# Altium PCB WX0.000.863拼板.PcbDoc (part 11 of 15)
Units mm, origin at the board's own origin, x right, y up, seen from the top; angles counter-clockwise.
Board outline 150.37 x 286.89 mm, 2 copper layers (Top Layer, Bottom Layer); 840 components, 0 nets, 2516 pads, 1604 vias.
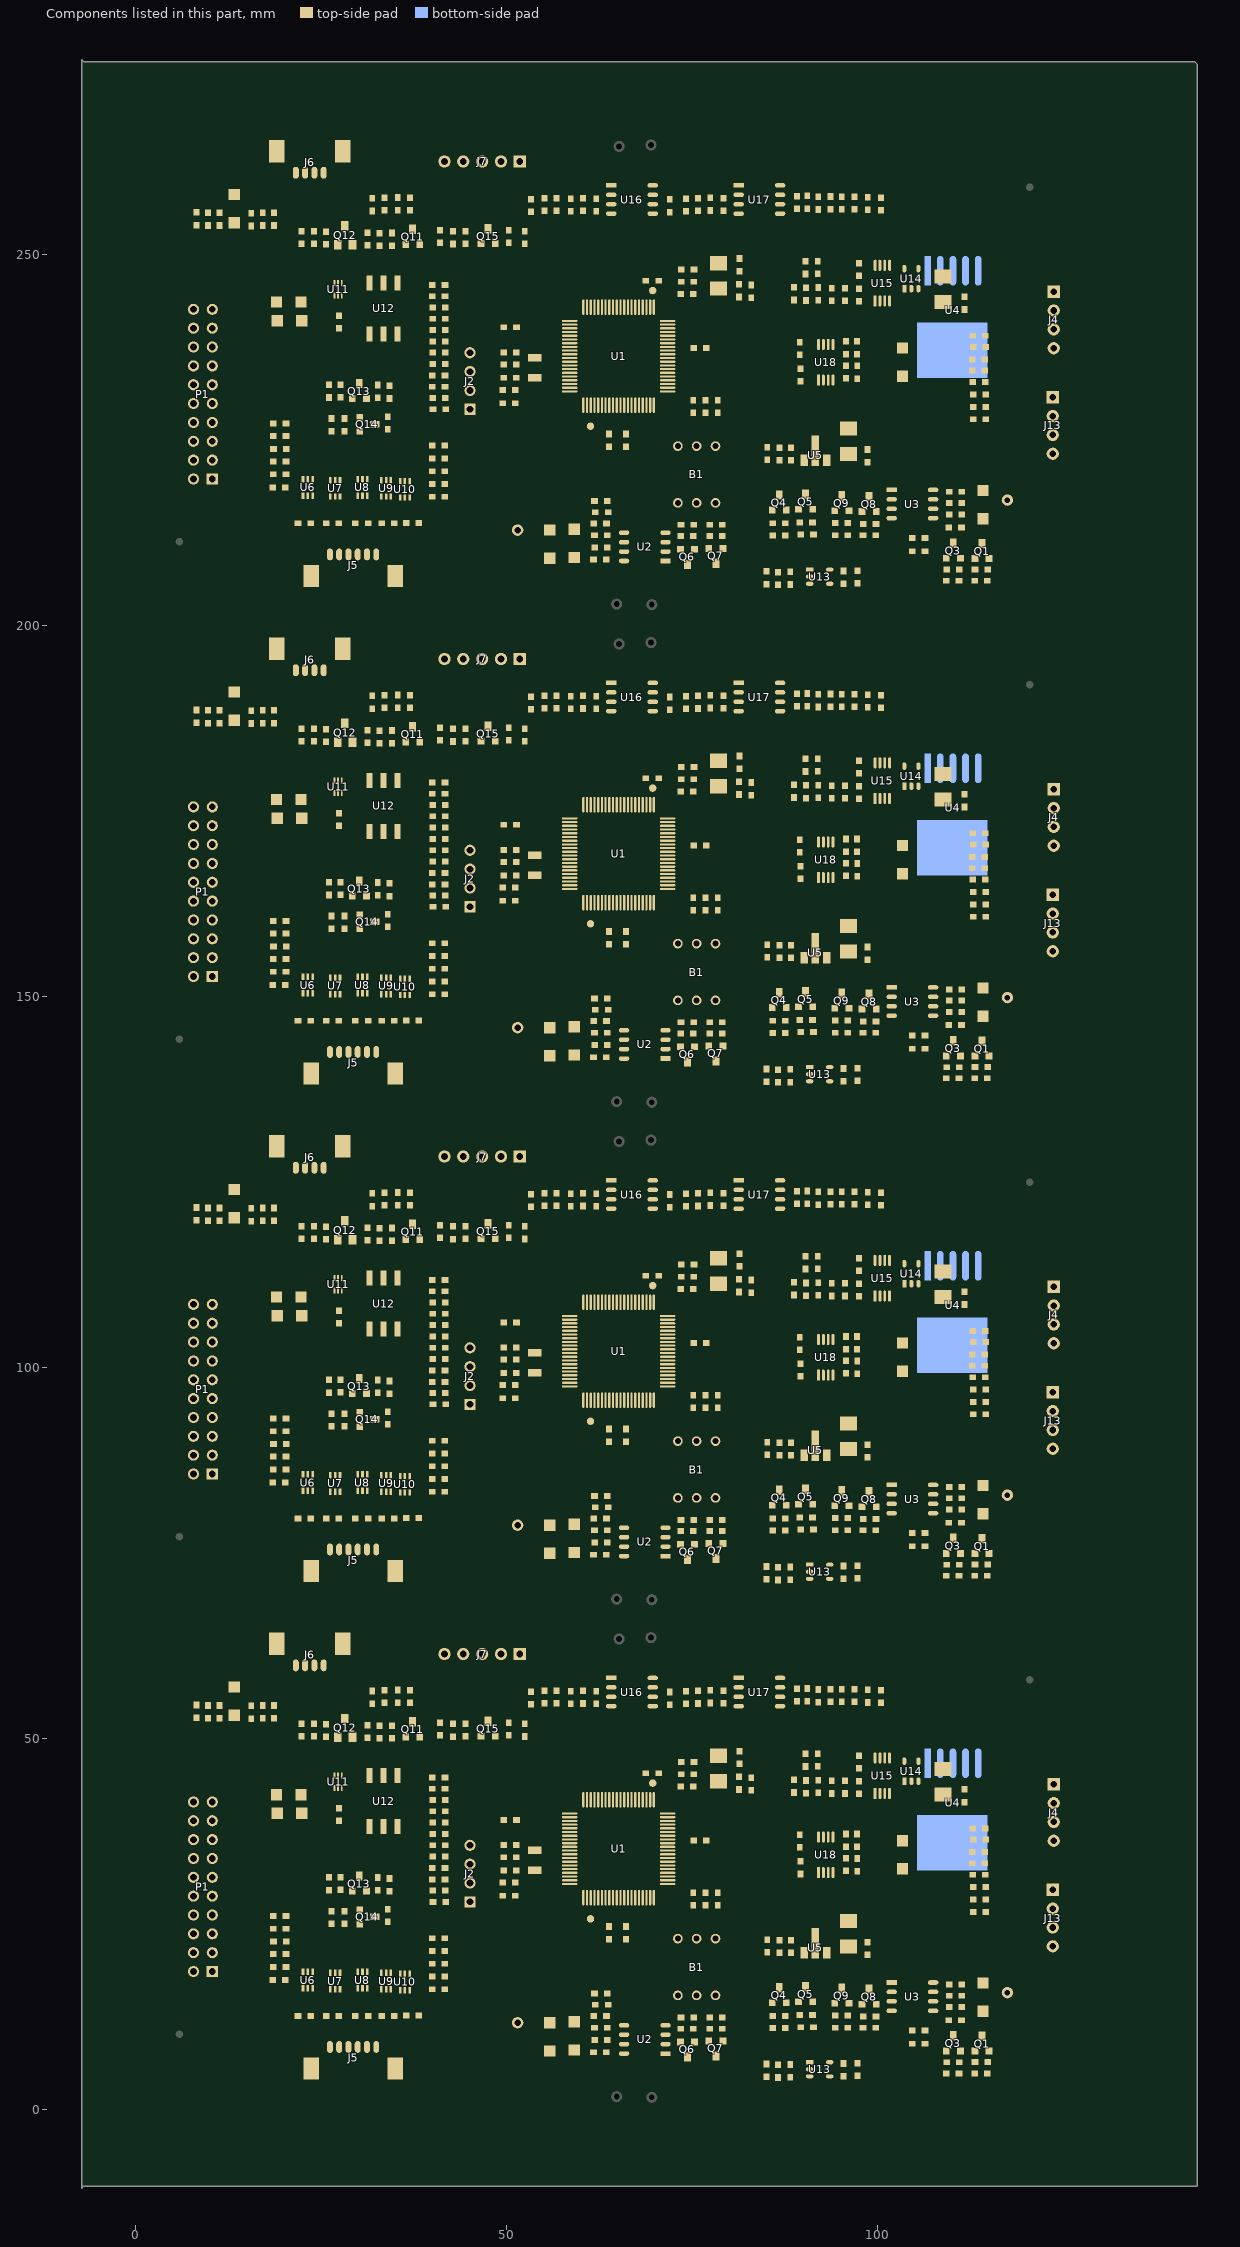
[diagram p11: the components of this part, seen from the top]

## Via types
v1: diameter 0.635, hole 0.381, Top Layer to Bottom Layer, tented both sides, 1604 vias

## Nets (pads, with @x,y where several pads share a name; then routed paths per layer and width w, separated by ;. In a path a pad name is that pad's centre, name@x,y a point inside that pad or via, vN(x,y) a via of type N, cw(c..) or ccw(c..) an arc to the next point about the centre after c; other vN are vias at no path point) (continued)
copper on no net: (continued)
  Top Layer w0.508: 7.472,41.759 ccw(c6.626,42.606) 7.823,42.606 ccw(c9.021,42.606) 8.174,41.759 ; 7.472,108.815 ccw(c6.626,109.662) 7.823,109.662 ccw(c9.021,109.662) 8.174,108.815 ; 7.472,175.871 ccw(c6.626,176.718) 7.823,176.718 ccw(c9.021,176.718) 8.174,175.871 ; 7.472,242.927 ccw(c6.626,243.774) 7.823,243.774 ccw(c9.021,243.774) 8.174,242.927 ; 7.811,38.869 cw(c9.238,38.869) 8.229,39.877 ; 7.811,105.925 cw(c9.238,105.925) 8.229,106.933 ; 7.811,172.981 cw(c9.238,172.981) 8.229,173.989 ; 7.811,240.037 cw(c9.238,240.037) 8.229,241.045 ; 7.823,38.869 7.95,38.996 7.95,39.599 9.161,40.809 9.161,45.704 12.034,48.577 12.034,50.134 12.954,51.054 14.351,51.054 14.757,51.46 14.757,55.474 13.335,56.896 ; 7.823,41.409 7.823,45.364 11.328,48.869 11.328,52.705 ; 7.823,105.925 7.95,106.052 7.95,106.655 9.161,107.865 9.161,112.76 12.034,115.633 12.034,117.19 12.954,118.11 14.351,118.11 14.757,118.516 14.757,122.53 13.335,123.952 ; 7.823,108.465 7.823,112.42 11.328,115.925 11.328,119.761 ; 7.823,172.981 7.95,173.108 7.95,173.711 9.161,174.921 9.161,179.816 12.034,182.689 12.034,184.246 12.954,185.166 14.351,185.166 14.757,185.572 14.757,189.586 13.335,191.008 ; 7.823,175.521 7.823,179.476 11.328,182.981 11.328,186.817 ; 7.823,240.037 7.95,240.164 7.95,240.767 9.161,241.977 9.161,246.872 12.034,249.745 12.034,251.302 12.954,252.222 14.351,252.222 14.757,252.628 14.757,256.642 13.335,258.064 ; 7.823,242.577 7.823,246.532 11.328,250.037 11.328,253.873 ; 8.319,38.869 cw(c10.972,38.869) 9.096,40.745 ; 8.319,105.925 cw(c10.972,105.925) 9.096,107.801 ; 8.319,172.981 cw(c10.972,172.981) 9.096,174.857 ; 8.319,240.037 cw(c10.972,240.037) 9.096,241.913 ; 10.012,18.198 cw(c8.675,16.861) 10.566,16.861 ; 10.012,85.254 cw(c8.675,83.917) 10.566,83.917 ; 10.012,152.31 cw(c8.675,150.973) 10.566,150.973 ; 10.012,219.366 cw(c8.675,218.029) 10.566,218.029 ; 10.363,18.549 10.566,18.345 10.566,4.978 12.243,3.302 48.539,3.302 51.791,6.553 54.534,6.553 55.829,7.849 ; 10.363,20.593 cw(c10.363,19.395) 11.21,20.242 cw(c12.057,21.089) 10.859,21.089 ; 10.363,21.089 11.831,19.62 11.831,17.094 11.273,16.535 11.273,5.271 12.352,4.191 v1(13.056,4.191) ; 10.363,85.605 10.566,85.401 10.566,72.034 12.243,70.358 48.539,70.358 51.791,73.609 54.534,73.609 55.829,74.905 ; 10.363,87.649 cw(c10.363,86.451) 11.21,87.298 cw(c12.057,88.145) 10.859,88.145 ; 10.363,88.145 11.831,86.676 11.831,84.15 11.273,83.591 11.273,72.327 12.352,71.247 v1(13.056,71.247) ; 10.363,152.661 10.566,152.457 10.566,139.09 12.243,137.414 48.539,137.414 51.791,140.665 54.534,140.665 55.829,141.961 ; 10.363,154.705 cw(c10.363,153.507) 11.21,154.354 cw(c12.057,155.201) 10.859,155.201 ; 10.363,155.201 11.831,153.732 11.831,151.206 11.273,150.647 11.273,139.383 12.352,138.303 v1(13.056,138.303) ; 10.363,219.717 10.566,219.513 10.566,206.146 12.243,204.47 48.539,204.47 51.791,207.721 54.534,207.721 55.829,209.017 ; 10.363,221.761 cw(c10.363,220.563) 11.21,221.41 cw(c12.057,222.257) 10.859,222.257 ; 10.363,222.257 11.831,220.788 11.831,218.262 11.273,217.703 11.273,206.439 12.352,205.359 v1(13.056,205.359) ; 12.475,52.705 ccw(c12.475,53.866) 13.335,53.086 12.954,52.705 11.328,52.705 ; 12.475,119.761 ccw(c12.475,120.922) 13.335,120.142 12.954,119.761 11.328,119.761 ; 12.475,186.817 ccw(c12.475,187.978) 13.335,187.198 12.954,186.817 11.328,186.817 ; 12.475,253.873 ccw(c12.475,255.034) 13.335,254.254 12.954,253.873 11.328,253.873 ; 12.959,53.427 cw(c11.328,54.907) 11.328,52.705 ; 12.959,120.483 cw(c11.328,121.963) 11.328,119.761 ; 12.959,187.539 cw(c11.328,189.019) 11.328,186.817 ; 12.959,254.595 cw(c11.328,256.075) 11.328,253.873 ; v1(13.081,2.388) 13.289,2.596 48.832,2.596 51.189,4.953 82.372,4.953 84.607,2.718 107.028,2.718 107.658,2.088 115.473,2.088 117.196,3.81 117.196,10.236 114.249,13.183 ; v1(13.081,69.444) 13.289,69.652 48.832,69.652 51.189,72.009 82.372,72.009 84.607,69.774 107.028,69.774 107.658,69.144 115.473,69.144 117.196,70.866 117.196,77.292 114.249,80.239 ; v1(13.081,136.5) 13.289,136.708 48.832,136.708 51.189,139.065 82.372,139.065 84.607,136.83 107.028,136.83 107.658,136.2 115.473,136.2 117.196,137.922 117.196,144.348 114.249,147.295 ; v1(13.081,203.556) 13.289,203.764 48.832,203.764 51.189,206.121 82.372,206.121 84.607,203.886 107.028,203.886 107.658,203.256 115.473,203.256 117.196,204.978 117.196,211.404 114.249,214.351 ; v1@13.126,2.343 cw(c13.737,1.731) 13.737,2.596 ; v1@13.126,69.399 cw(c13.737,68.787) 13.737,69.652 ; v1@13.126,136.455 cw(c13.737,135.843) 13.737,136.708 ; v1@13.126,203.511 cw(c13.737,202.899) 13.737,203.764 ; 13.335,56.388 cw(c13.335,55.162) 14.202,56.029 cw(c15.069,56.896) 13.843,56.896 ; 13.335,123.444 cw(c13.335,122.218) 14.202,123.085 cw(c15.069,123.952) 13.843,123.952 ; 13.335,190.5 cw(c13.335,189.274) 14.202,190.141 cw(c15.069,191.008) 13.843,191.008 ; 13.335,257.556 cw(c13.335,256.33) 14.202,257.197 cw(c15.069,258.064) 13.843,258.064 ; 14.935,55.296 16.281,55.296 17.17,54.407 ; 14.935,122.352 16.281,122.352 17.17,121.463 ; 14.935,189.408 16.281,189.408 17.17,188.519 ; 14.935,256.464 16.281,256.464 17.17,255.575 ; 16.845,54.732 ccw(c17.17,55.057) 17.17,54.597 ; 16.845,121.788 ccw(c17.17,122.113) 17.17,121.653 ; 16.845,188.844 ccw(c17.17,189.169) 17.17,188.709 ; 16.845,255.9 ccw(c17.17,256.225) 17.17,255.765 ; 21.908,11.403 ccw(c22.884,11.403) v1@22.194,10.713 ; 21.908,12.573 21.908,10.909 v1(22.149,10.668) ; 21.908,78.459 ccw(c22.884,78.459) v1@22.194,77.769 ; 21.908,79.629 21.908,77.965 v1(22.149,77.724) ; 21.908,145.515 ccw(c22.884,145.515) v1@22.194,144.825 ; 21.908,146.685 21.908,145.021 v1(22.149,144.78) ; 21.908,212.571 ccw(c22.884,212.571) v1@22.194,211.881 ; 21.908,213.741 21.908,212.077 v1(22.149,211.836) ; 22.078,51.618 cw(c22.403,51.293) 22.403,51.752 ; 22.078,118.674 cw(c22.403,118.349) 22.403,118.808 ; 22.078,185.73 cw(c22.403,185.405) 22.403,185.864 ; 22.078,252.786 cw(c22.403,252.461) 22.403,252.92 ; v1(23.749,48.641) 21.793,48.641 21.463,48.971 21.463,51.003 22.403,51.943 22.403,53.086 22.555,53.238 25.298,53.238 26.436,54.376 28.189,54.376 28.981,55.169 v1(28.981,56.21) 28.981,57.836 29.53,58.384 38.318,58.384 41.275,61.341 ; v1(23.749,115.697) 21.793,115.697 21.463,116.027 21.463,118.059 22.403,118.999 22.403,120.142 22.555,120.294 25.298,120.294 26.436,121.432 28.189,121.432 28.981,122.225 v1(28.981,123.266) 28.981,124.892 29.53,125.44 38.318,125.44 41.275,128.397 ; v1(23.749,182.753) 21.793,182.753 21.463,183.083 21.463,185.115 22.403,186.055 22.403,187.198 22.555,187.35 25.298,187.35 26.436,188.488 28.189,188.488 28.981,189.281 v1(28.981,190.322) 28.981,191.948 29.53,192.496 38.318,192.496 41.275,195.453 ; v1(23.749,249.809) 21.793,249.809 21.463,250.139 21.463,252.171 22.403,253.111 22.403,254.254 22.555,254.406 25.298,254.406 26.436,255.544 28.189,255.544 28.981,256.337 v1(28.981,257.378) 28.981,259.004 29.53,259.552 38.318,259.552 41.275,262.509 ; v1(25.705,11.328) 25.705,12.56 ; v1(25.705,78.384) 25.705,79.616 ; v1(25.705,145.44) 25.705,146.672 ; v1(25.705,212.496) 25.705,213.728 ; 25.786,30.904 cw(c26.111,30.579) 26.111,31.039 ; 25.786,97.96 cw(c26.111,97.635) 26.111,98.095 ; 25.786,165.016 cw(c26.111,164.691) 26.111,165.151 ; 25.786,232.072 cw(c26.111,231.747) 26.111,232.207 ; 26.111,29.527 26.251,29.388 29.235,29.388 ; 26.111,96.583 26.251,96.444 29.235,96.444 ; 26.111,163.639 26.251,163.5 29.235,163.5 ; 26.111,230.695 26.251,230.556 29.235,230.556 ; 26.21,29.575 ccw(c26.663,30.028) 26.663,29.388 ; 26.21,96.631 ccw(c26.663,97.084) 26.663,96.444 ; 26.21,163.687 ccw(c26.663,164.14) 26.663,163.5 ; 26.21,230.743 ccw(c26.663,231.196) 26.663,230.556 ; 26.991,29.388 ccw(c26.991,30.159) 27.536,29.614 ; 26.991,96.444 ccw(c26.991,97.215) 27.536,96.67 ; 26.991,163.5 ccw(c26.991,164.271) 27.536,163.726 ; 26.991,230.556 ccw(c26.991,231.327) 27.536,230.782 ; v1(27.076,52.603) 27.127,52.654 28.245,52.654 ; v1(27.076,119.659) 27.127,119.71 28.245,119.71 ; v1(27.076,186.715) 27.127,186.766 28.245,186.766 ; v1(27.076,253.771) 27.127,253.822 28.245,253.822 ; 27.42,12.573 27.42,13.373 v1(27.661,13.614) ; 27.42,12.879 cw(c28.396,12.879) v1@27.706,13.569 ; 27.42,79.629 27.42,80.429 v1(27.661,80.67) ; 27.42,79.935 cw(c28.396,79.935) v1@27.706,80.625 ; 27.42,146.685 27.42,147.485 v1(27.661,147.726) ; 27.42,146.991 cw(c28.396,146.991) v1@27.706,147.681 ; 27.42,213.741 27.42,214.541 v1(27.661,214.782) ; 27.42,214.047 cw(c28.396,214.047) v1@27.706,214.737 ; 27.635,31.458 ccw(c27.635,31.918) 27.96,31.593 ; 27.635,98.514 ccw(c27.635,98.974) 27.96,98.649 ; 27.635,165.57 ccw(c27.635,166.03) 27.96,165.705 ; 27.635,232.626 ccw(c27.635,233.086) 27.96,232.761 ; 27.734,29.614 ccw(c28.279,30.159) 28.279,29.388 ; 27.734,96.67 ccw(c28.279,97.215) 28.279,96.444 ; 27.734,163.726 ccw(c28.279,164.271) 28.279,163.5 ; 27.734,230.782 ccw(c28.279,231.327) 28.279,230.556 ; 28.065,52.475 ccw(c27.632,52.041) 27.632,52.654 ccw(c27.632,53.267) 28.065,52.834 ; 28.065,119.531 ccw(c27.632,119.097) 27.632,119.71 ccw(c27.632,120.323) 28.065,119.89 ; 28.065,186.587 ccw(c27.632,186.153) 27.632,186.766 ccw(c27.632,187.379) 28.065,186.946 ; 28.065,253.643 ccw(c27.632,253.209) 27.632,253.822 ccw(c27.632,254.435) 28.065,254.002 ; 28.194,24.993 30.201,24.993 30.226,24.968 ; 28.194,92.049 30.201,92.049 30.226,92.024 ; 28.194,159.105 30.201,159.105 30.226,159.08 ; 28.194,226.161 30.201,226.161 30.226,226.136 ; v1@28.296,31.928 27.635,31.267 ; v1@28.296,98.984 27.635,98.323 ; v1@28.296,166.04 27.635,165.379 ; v1@28.296,233.096 27.635,232.435 ; 29.091,29.244 ccw(c28.744,28.897) 28.744,29.388 ccw(c28.744,29.878) 29.091,29.531 ; 29.091,96.3 ccw(c28.744,95.953) 28.744,96.444 ccw(c28.744,96.934) 29.091,96.587 ; 29.091,163.356 ccw(c28.744,163.009) 28.744,163.5 ccw(c28.744,163.99) 29.091,163.643 ; 29.091,230.412 ccw(c28.744,230.065) 28.744,230.556 ccw(c28.744,231.046) 29.091,230.699 ; 29.655,12.324 ccw(c30.891,12.324) v1@30.017,11.45 ; 29.655,12.573 29.655,11.722 v1(29.972,11.405) ; 29.655,79.38 ccw(c30.891,79.38) v1@30.017,78.506 ; 29.655,79.629 29.655,78.778 v1(29.972,78.461) ; 29.655,146.436 ccw(c30.891,146.436) v1@30.017,145.562 ; 29.655,146.685 29.655,145.834 v1(29.972,145.517) ; 29.655,213.492 ccw(c30.891,213.492) v1@30.017,212.618 ; 29.655,213.741 29.655,212.89 v1(29.972,212.573) ; 29.674,24.993 cw(c29.674,24.416) 30.082,24.824 ; 29.674,92.049 cw(c29.674,91.472) 30.082,91.88 ; 29.674,159.105 cw(c29.674,158.528) 30.082,158.936 ; 29.674,226.161 cw(c29.674,225.584) 30.082,225.992 ; v1(30.861,56.21) 31.775,56.21 31.928,56.363 ; v1(30.861,123.266) 31.775,123.266 31.928,123.419 ; v1(30.861,190.322) 31.775,190.322 31.928,190.475 ; v1(30.861,257.378) 31.775,257.378 31.928,257.531 ; 31.345,56.21 ccw(c31.345,56.894) 31.829,56.411 ; 31.345,123.266 ccw(c31.345,123.95) 31.829,123.467 ; 31.345,190.322 ccw(c31.345,191.006) 31.829,190.523 ; 31.345,257.378 ccw(c31.345,258.062) 31.829,257.579 ; 31.357,12.573 31.357,13.907 v1(31.8,14.351) ; 31.357,79.629 31.357,80.963 v1(31.8,81.407) ; 31.357,146.685 31.357,148.019 v1(31.8,148.463) ; 31.357,213.741 31.357,215.075 v1(31.8,215.519) ; v1@33.211,11.468 33.211,12.573 ; v1@33.211,78.524 33.211,79.629 ; v1@33.211,145.58 33.211,146.685 ; v1@33.211,212.636 33.211,213.741 ; v1@33.503,48.666 v1(33.325,48.666) 32.918,49.073 32.918,49.987 34.557,49.987 34.569,50 35.522,49.047 37.211,49.047 38.329,50.165 39.797,50.165 40.643,49.319 47.541,49.319 48.489,50.267 49.647,49.108 51.356,49.108 52.476,50.228 56.312,50.228 58.423,52.339 81.219,52.339 81.407,52.527 81.407,54.204 81.305,54.305 ; v1@33.503,115.722 v1(33.325,115.722) 32.918,116.129 32.918,117.043 34.557,117.043 34.569,117.056 35.522,116.103 37.211,116.103 38.329,117.221 39.797,117.221 40.643,116.375 47.541,116.375 48.489,117.323 49.647,116.164 51.356,116.164 52.476,117.284 56.312,117.284 58.423,119.395 81.219,119.395 81.407,119.583 81.407,121.26 81.305,121.361 ; v1@33.503,182.778 v1(33.325,182.778) 32.918,183.185 32.918,184.099 34.557,184.099 34.569,184.112 35.522,183.159 37.211,183.159 38.329,184.277 39.797,184.277 40.643,183.431 47.541,183.431 48.489,184.379 49.647,183.22 51.356,183.22 52.476,184.34 56.312,184.34 58.423,186.451 81.219,186.451 81.407,186.639 81.407,188.316 81.305,188.417 ; v1@33.503,249.834 v1(33.325,249.834) 32.918,250.241 32.918,251.155 34.557,251.155 34.569,251.168 35.522,250.215 37.211,250.215 38.329,251.333 39.797,251.333 40.643,250.487 47.541,250.487 48.489,251.435 49.647,250.276 51.356,250.276 52.476,251.396 56.312,251.396 58.423,253.507 81.219,253.507 81.407,253.695 81.407,255.372 81.305,255.473 ; 33.579,54.775 33.579,54.102 v1(34.011,53.67) ; 33.579,121.831 33.579,121.158 v1(34.011,120.726) ; 33.579,188.887 33.579,188.214 v1(34.011,187.782) ; 33.579,255.943 33.579,255.27 v1(34.011,254.838) ; 33.683,54.631 ccw(c34.033,54.315) 33.699,53.981 ; 33.683,121.687 ccw(c34.033,121.371) 33.699,121.037 ; 33.683,188.743 ccw(c34.033,188.427) 33.699,188.093 ; 33.683,255.799 ccw(c34.033,255.483) 33.699,255.149 ; 34.239,29.388 34.239,28.677 v1(33.769,28.207) 25.514,28.207 24.816,28.905 24.816,29.934 26.111,31.229 27.597,31.229 ; 34.239,96.444 34.239,95.733 v1(33.769,95.263) 25.514,95.263 24.816,95.961 24.816,96.99 26.111,98.285 27.597,98.285 ; 34.239,163.5 34.239,162.789 v1(33.769,162.319) 25.514,162.319 24.816,163.017 24.816,164.046 26.111,165.341 27.597,165.341 ; 34.239,230.556 34.239,229.845 v1(33.769,229.375) 25.514,229.375 24.816,230.073 24.816,231.102 26.111,232.397 27.597,232.397 ; 34.569,49.809 cw(c34.569,49.349) 34.895,49.674 ; 34.569,116.865 cw(c34.569,116.405) 34.895,116.73 ; 34.569,183.921 cw(c34.569,183.461) 34.895,183.786 ; 34.569,250.977 cw(c34.569,250.517) 34.895,250.842 ; 36.057,49.047 cw(c36.057,47.767) v1@36.963,48.672 ; 36.057,116.103 cw(c36.057,114.823) v1@36.963,115.728 ; 36.057,183.159 cw(c36.057,181.879) v1@36.963,182.784 ; 36.057,250.215 cw(c36.057,248.935) v1@36.963,249.84 ; v1@36.5,10.897 36.5,12.454 ; 36.5,11.295 ccw(c37,11.295) v1@36.646,10.941 ; v1@36.5,77.953 36.5,79.51 ; 36.5,78.351 ccw(c37,78.351) v1@36.646,77.997 ; v1@36.5,145.009 36.5,146.566 ; 36.5,145.407 ccw(c37,145.407) v1@36.646,145.053 ; v1@36.5,212.065 36.5,213.622 ; 36.5,212.463 ccw(c37,212.463) v1@36.646,212.109 ; 37.284,49.047 cw(c37.284,48.993) 37.322,49.032 ; 37.284,116.103 cw(c37.284,116.049) 37.322,116.088 ; 37.284,183.159 cw(c37.284,183.105) 37.322,183.144 ; 37.284,250.215 cw(c37.284,250.161) 37.322,250.2 ; 38.125,50.165 cw(c37.635,50.165) 37.982,49.818 cw(c38.329,49.471) 38.329,49.962 ; 38.125,117.221 cw(c37.635,117.221) 37.982,116.874 cw(c38.329,116.527) 38.329,117.018 ; 38.125,184.277 cw(c37.635,184.277) 37.982,183.93 cw(c38.329,183.583) 38.329,184.074 ; 38.125,251.333 cw(c37.635,251.333) 37.982,250.986 cw(c38.329,250.639) 38.329,251.13 ; 38.472,50.021 cw(c38.819,49.674) 38.819,50.165 cw(c38.819,50.656) 38.472,50.309 ; 38.472,117.077 cw(c38.819,116.73) 38.819,117.221 cw(c38.819,117.712) 38.472,117.365 ; 38.472,184.133 cw(c38.819,183.786) 38.819,184.277 cw(c38.819,184.768) 38.472,184.421 ; 38.472,251.189 cw(c38.819,250.842) 38.819,251.333 cw(c38.819,251.824) 38.472,251.477 ; 39.484,29.54 cw(c39.484,28.951) 39.901,29.368 ; 39.484,96.596 cw(c39.484,96.007) 39.901,96.424 ; 39.484,163.652 cw(c39.484,163.063) 39.901,163.48 ; 39.484,230.708 cw(c39.484,230.119) 39.901,230.536 ; 39.926,30.868 cw(c39.626,30.569) 40.05,30.569 ; 39.926,97.924 cw(c39.626,97.625) 40.05,97.625 ; 39.926,164.98 cw(c39.626,164.681) 40.05,164.681 ; 39.926,232.036 cw(c39.626,231.737) 40.05,231.737 ; 40.03,60.096 cw(c41.656,58.47) 41.656,60.77 ; 40.03,127.152 cw(c41.656,125.526) 41.656,127.825 ; 40.03,194.208 cw(c41.656,192.582) 41.656,194.881 ; 40.03,261.264 cw(c41.656,259.638) 41.656,261.938 ; 40.215,30.967 cw(c40.725,30.967) 40.365,31.328 ; 40.215,98.023 cw(c40.725,98.023) 40.365,98.384 ; 40.215,165.079 cw(c40.725,165.079) 40.365,165.44 ; 40.215,232.135 cw(c40.725,232.135) 40.365,232.496 ; v1(40.615,11.227) 40.615,13.208 43.983,16.576 43.983,19.573 44.912,20.503 v1@52.573,20.503 ; v1(40.615,78.283) 40.615,80.264 43.983,83.632 43.983,86.629 44.912,87.559 v1@52.573,87.559 ; v1(40.615,145.339) 40.615,147.32 43.983,150.688 43.983,153.685 44.912,154.615 v1@52.573,154.615 ; v1(40.615,212.395) 40.615,214.376 43.983,217.744 43.983,220.741 44.912,221.671 v1@52.573,221.671 ; 40.897,60.963 cw(c41.656,60.204) 41.656,61.277 ; 40.897,128.019 cw(c41.656,127.26) 41.656,128.333 ; 40.897,195.075 cw(c41.656,194.316) 41.656,195.389 ; 40.897,262.131 cw(c41.656,261.372) 41.656,262.445 ; 41.189,32.152 cw(c41.676,31.665) 41.676,32.354 ; 41.189,99.208 cw(c41.676,98.721) 41.676,99.41 ; 41.189,166.264 cw(c41.676,165.777) 41.676,166.466 ; 41.189,233.32 cw(c41.676,232.833) 41.676,233.522 ; 41.656,61.341 41.656,61.62 42.654,62.619 ; 41.656,61.912 ccw(c41.656,62.618) 42.155,62.119 ; 41.656,128.397 41.656,128.676 42.654,129.675 ; 41.656,128.969 ccw(c41.656,129.674) 42.155,129.175 ; 41.656,195.453 41.656,195.732 42.654,196.731 ; 41.656,196.024 ccw(c41.656,196.73) 42.155,196.231 ; 41.656,262.509 41.656,262.788 42.654,263.787 ; 41.656,263.08 ccw(c41.656,263.786) 42.155,263.287 ; 41.727,32.512 41.549,32.512 40.025,30.988 40.05,30.963 40.05,29.464 39.974,29.54 v1(38.862,29.54) 38.42,29.098 38.42,27.112 38.999,26.533 49.886,26.533 50.251,26.899 51.283,26.899 ; 41.727,99.568 41.549,99.568 40.025,98.044 40.05,98.019 40.05,96.52 39.974,96.596 v1(38.862,96.596) 38.42,96.154 38.42,94.168 38.999,93.589 49.886,93.589 50.251,93.955 51.283,93.955 ; 41.727,166.624 41.549,166.624 40.025,165.1 40.05,165.075 40.05,163.576 39.974,163.652 v1(38.862,163.652) 38.42,163.21 38.42,161.224 38.999,160.645 49.886,160.645 50.251,161.011 51.283,161.011 ; 41.727,233.68 41.549,233.68 40.025,232.156 40.05,232.131 40.05,230.632 39.974,230.708 v1(38.862,230.708) 38.42,230.266 38.42,228.28 38.999,227.701 49.886,227.701 50.251,228.067 51.283,228.067 ; 42.224,61.402 cw(c43.712,61.56) 42.654,62.619 ; 42.224,128.458 cw(c43.712,128.616) 42.654,129.675 ; 42.224,195.514 cw(c43.712,195.672) 42.654,196.731 ; 42.224,262.57 cw(c43.712,262.728) 42.654,263.787 ; 42.824,52.666 cw(c43.498,52.666) v1@43.022,53.143 ; 42.824,119.722 cw(c43.498,119.722) v1@43.022,120.199 ; 42.824,186.778 cw(c43.498,186.778) v1@43.022,187.255 ; 42.824,253.834 cw(c43.498,253.834) v1@43.022,254.311 ; v1(42.977,53.188) 42.824,53.035 42.824,51.918 42.863,51.956 44.475,51.956 ; v1(42.977,120.244) 42.824,120.091 42.824,118.974 42.863,119.012 44.475,119.012 ; v1(42.977,187.3) 42.824,187.147 42.824,186.03 42.863,186.068 44.475,186.068 ; v1(42.977,254.356) 42.824,254.203 42.824,253.086 42.863,253.124 44.475,253.124 ; 48.285,50.267 cw(c47.795,50.267) 48.142,49.92 cw(c48.489,49.573) 48.489,50.063 cw(c48.489,49.573) 48.835,49.92 cw(c49.182,50.267) 48.692,50.267 ; 48.285,117.323 cw(c47.795,117.323) 48.142,116.976 cw(c48.489,116.629) 48.489,117.119 cw(c48.489,116.629) 48.835,116.976 cw(c49.182,117.323) 48.692,117.323 ; 48.285,184.379 cw(c47.795,184.379) 48.142,184.032 cw(c48.489,183.685) 48.489,184.175 cw(c48.489,183.685) 48.835,184.032 cw(c49.182,184.379) 48.692,184.379 ; 48.285,251.435 cw(c47.795,251.435) 48.142,251.088 cw(c48.489,250.741) 48.489,251.231 cw(c48.489,250.741) 48.835,251.088 cw(c49.182,251.435) 48.692,251.435 ; 50.317,52.164 50.317,52.095 50.317,55.931 50.66,56.273 53.34,56.273 54.991,56.273 55.118,56.4 55.118,58.872 ; 50.317,119.22 50.317,119.151 50.317,122.987 50.66,123.329 53.34,123.329 54.991,123.329 55.118,123.456 55.118,125.928 ; 50.317,186.276 50.317,186.207 50.317,190.043 50.66,190.385 53.34,190.385 54.991,190.385 55.118,190.512 55.118,192.984 ; 50.317,253.332 50.317,253.263 50.317,257.099 50.66,257.441 53.34,257.441 54.991,257.441 55.118,257.568 55.118,260.04 ; 51.218,30.531 51.218,28.753 ; 51.218,97.587 51.218,95.809 ; 51.218,164.643 51.218,162.865 ; 51.218,231.699 51.218,229.921 ; 51.522,11.139 cw(c51.522,9.912) 52.389,10.78 cw(c53.257,11.647) 52.03,11.647 ; 51.522,11.647 52.907,10.262 53.416,10.262 55.829,7.849 ; 51.522,78.195 cw(c51.522,76.968) 52.389,77.836 cw(c53.257,78.703) 52.03,78.703 ; 51.522,78.703 52.907,77.318 53.416,77.318 55.829,74.905 ; 51.522,145.251 cw(c51.522,144.024) 52.389,144.892 cw(c53.257,145.759) 52.03,145.759 ; 51.522,145.759 